# Allegro board 20231252_notecarrier-m2-r_v1.brd
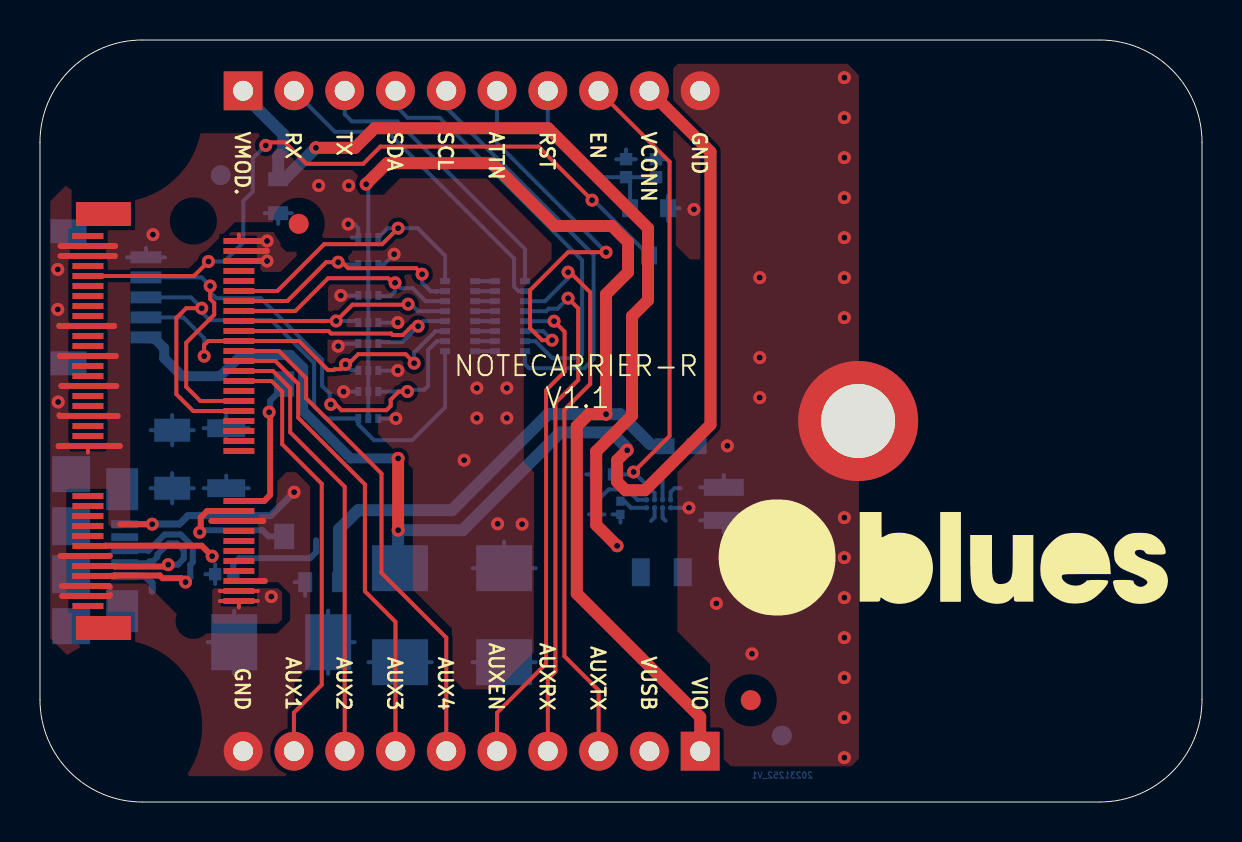
[diagram p0: board, top side]
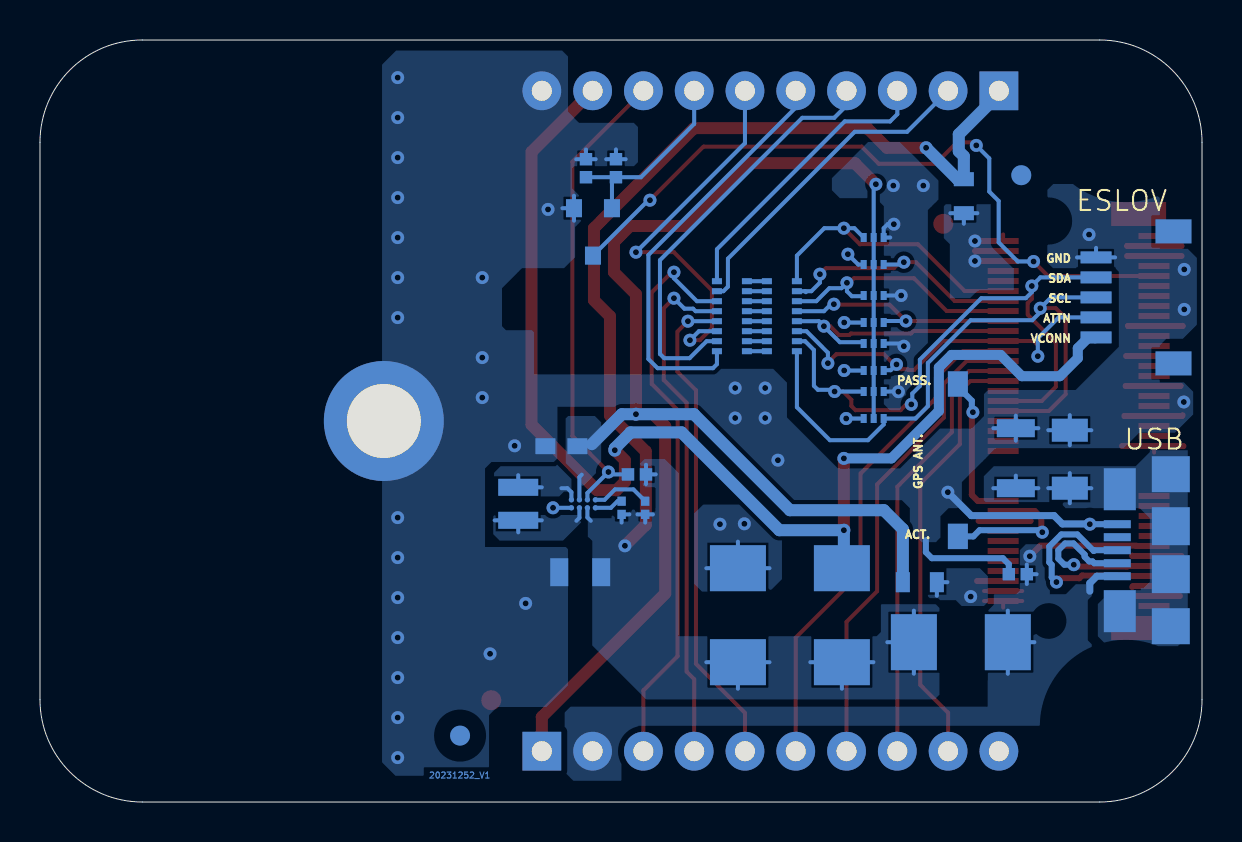
[diagram p1: board, bottom side, seen from below]

Outline 58.12 x 38.1 mm; copper layers: TOP, BOTTOM. Coordinates in mm from the lower left corner of the outline.
Outline path: 0,32.99 0,5.11 arc(1.5,1.5) 5.11,0 53.01,0 arc(56.62,1.5) 58.12,5.11 58.12,32.99 arc(56.62,36.6) 53.01,38.1 5.11,38.1 arc(1.5,36.6) 0,32.99

## Design rules (mm)
constraint set DEFAULT: pair gap 0.2
net group USB_CON_EXT_90: nets USB_DM USB_DP

## Placement (name value [footprint] x y rotation side)
C1  10u/16V-X5R  [CS-C-0805]  31.1 11.49 0 bottom
C2  22u/10V/X5R  [CS-C-0603]  32.04 17.79 0 bottom
C5  10n/1kV  [CS-C-1206]  6.61 17.19 90 bottom
C6  100n/16V  [CS-C-0402]  29.31 31.69 90 bottom
C111  100n/16V  [CS-C-0402]  9.21 11.39 0 bottom
DS1  STPS3H100U  [SMB]  14.41 7.99 180 bottom
DS2  STPS3H100U  [SMB]  18.01 6.99 90 bottom
DS3  NU  [SOT563]  16.42 19.85 0 bottom
DS4  NU  [SOT563]  16.42 24.65 0 bottom
DS5  NU  [SOT563]  16.42 22.25 0 bottom
DS6  NU  [SOT563]  16.42 27.55 0 bottom
DSW1  DIP-SW-CHS-01TB  [DSS-CHS-01TB]  12.21 17.09 180 bottom
F1  SF-0603F150-2  [FS-0603]  14.11 10.99 180 bottom
F2  3.5A/32V  [FS-0603]  11.91 30.29 270 bottom
FID1  TPS  [FIDUCIAL]  35.55 5.09 0 top
FID2  TPS  [FIDUCIAL]  12.94 28.91 0 top
FID3  TPS  [FIDUCIAL]  37.11 3.32 180 bottom
FID4  TPS  [FIDUCIAL]  9.04 31.34 180 bottom
J1  MDT420E01001  [J-75-0050-MOS-M2-E]  7.67 19.05 90 top
J2  MICROUSB-B  [J-5-0065-FOS-MICROUSB10118192]  4.11 12.59 90 bottom
J3  SM05B-SRSS-TB  [J-5-0100-MOS-SH]  2.85 25.23 90 bottom
J4  NU  [J-10-0254-MDT]  33.02 2.54 180 bottom
J5  NU  [J-10-0254-MDT]  10.16 35.56 0 bottom
L1  1u/3.1A  [LS-0907]  34.2 14.91 90 bottom
NOREF  -  []  7.67 29.05 0 top
NOREF#2  -  []  9.95 10.05 90 top
NOREF#3  -  []  30.34 14.71 90 top
NOREF#4  -  []  27.5 16.69 0 top
NOREF#5  -  []  9.8 11.28 0 top
NOREF#6  -  []  1.56 16.39 90 top
NOREF#7  -  []  7.67 29.05 0 top
NOREF#8  -  []  7.67 9.05 90 top
NOREF#9  -  []  22.61 25.79 90 top
NOREF#10  -  []  29.62 31.83 90 top
NOREF#11  -  []  7.67 9.05 90 top
NOREF#12  -  []  -54.93 30 0 top
NOREF#13  -  []  50.3 2.55 0 top
NOREF#14  -  []  6.04 14.79 0 top
NOREF#15  -  []  20.41 22.29 90 top
NOREF#16  -  []  32.6 10.79 90 top
NOREF#17  -  []  0 32.99 0 top
NOREF#18  -  []  22.91 22.29 90 top
NOREF#19  -  []  30.34 15.11 0 top
NOREF#20  -  []  39.07 19.05 0 top
NOREF#21  -  []  8.21 9.16 0 top
NOREF#22  -  []  7.67 29.05 0 top
NOREF#23  -  []  -54.93 8.1 0 top
NOREF#24  -  []  13.26 9.39 0 top
NOREF#25  -  []  29.51 29.69 0 top
NOREF#26  -  []  5.11 0 90 top
NOREF#27  -  []  29.31 31.24 90 top
NOREF#28  -  []  33.02 2.54 90 top
NOREF#29  -  []  17.67 18.25 90 top
NOREF#30  -  []  27.85 14.38 90 top
NOREF#31  -  []  15.92 28.23 0 top
NOREF#32  -  []  22.91 22.29 90 top
NOREF#33  -  []  30.48 2.54 0 top
NOREF#34  -  []  8.81 8.59 90 top
NOREF#35  -  []  18.01 6.99 90 top
NOREF#36  -  []  29.51 29.69 0 top
NOREF#37  -  []  15.77 23.75 90 top
NOREF#38  -  []  16.77 24.2 0 top
NOREF#39  -  []  29 32.45 0 top
NOREF#40  -  []  20.41 22.29 90 top
NOREF#41  -  []  9.95 10.05 90 top
NOREF#42  -  []  2.61 12.04 90 top
NOREF#43  -  []  16.77 21.8 0 top
NOREF#44  -  []  10.71 29.79 0 top
NOREF#45  -  []  -109.85 -129.62 0 top
NOREF#46  -  []  7.67 9.05 90 top
NOREF#47  -  []  2.4 24.3 90 top
NOREF#48  -  []  2.4 9.8 90 top
NOREF#49  -  []  53.01 0 90 top
NOREF#50  -  []  8.86 19.64 0 top
NOREF#51  -  []  9.8 9.28 90 top
NOREF#52  -  []  27.81 16.38 0 top
NOREF#53  -  []  5.11 0 90 top
NOREF#54  -  []  11.71 20.27 90 top
NOREF#55  -  []  2.14 34.29 0 top
NOREF#56  -  []  29.26 14.17 90 top
NOREF#57  -  []  7.19 17.69 90 top
NOREF#58  -  []  12.91 10.49 0 top
NOREF#59  -  []  9.71 7.99 0 top
NOREF#60  -  []  2.57 30.77 0 top
NOREF#61  -  []  22.76 26.04 0 top
NOREF#62  -  []  15.92 25.32 0 top
NOREF#63  -  []  2.25 27.57 0 top
NOREF#64  -  []  3.86 9.09 0 top
NOREF#65  -  []  8.76 11.39 0 top
NOREF#66  -  []  31.24 17.79 0 top
NOREF#67  -  []  3.81 34.29 90 top
NOREF#68  -  []  -0.59 9.09 90 top
NOREF#69  -  []  30.5 31.55 0 top
NOREF#70  -  []  8.45 29.22 0 top
NOREF#71  -  []  5.11 0 90 top
NOREF#72  -  []  -50.83 -3.81 0 top
NOREF#73  -  []  -2.33 18 90 top
NOREF#74  -  []  2.25 9.03 90 top
NOREF#75  -  []  54.31 34.29 0 top
NOREF#76  -  []  -0.59 9.09 0 top
NOREF#77  -  []  16.77 19.4 0 top
NOREF#78  -  []  54.31 34.29 90 top
NOREF#79  -  []  40.92 19.05 90 top
NOREF#80  -  []  15.92 22.93 0 top
NOREF#81  -  []  -2.33 18.5 90 top
NOREF#82  -  []  28.12 16.07 90 top
NOREF#83  -  []  11.71 13.91 0 top
NOREF#84  -  []  8.86 14.74 90 top
NOREF#85  -  []  16.86 8.39 0 top
NOREF#86  -  []  10.16 35.56 0 top
NOREF#87  -  []  21.76 25.54 90 top
NOREF#88  -  []  21.61 22.29 0 top
NOREF#89  -  []  6.61 15.69 90 top
NOREF#90  -  []  18.17 -6.83 0 top
NOREF#91  -  []  30.81 31.24 90 top
NOREF#92  -  []  16.92 19.18 90 top
NOREF#93  -  []  30.96 30.09 0 top
NOREF#94  -  []  3.77 28.02 90 top
NOREF#95  -  []  4.24 11.29 90 top
NOREF#96  -  []  1.96 9.09 0 top
NOREF#97  -  []  22.06 5.59 90 top
NOREF#98  -  []  23.21 6.99 90 top
NOREF#99  -  []  17.67 17.75 90 top
NOREF#100  -  []  13.61 11.49 0 top
NOREF#101  -  []  7.67 9.05 90 top
NOREF#102  -  []  2.4 9.8 0 top
NOREF#103  -  []  28.08 14.17 90 top
NOREF#104  -  []  15.31 10.49 90 top
NOREF#105  -  []  30.05 11.49 0 top
NOREF#106  -  []  32.34 18.19 0 top
NOREF#107  -  []  15.77 21.35 90 top
NOREF#108  -  []  30.01 26.92 90 top
NOREF#109  -  []  30.74 17.39 90 top
NOREF#110  -  []  16.86 5.59 90 top
NOREF#111  -  []  21.76 25.54 90 top
NOREF#112  -  []  29.03 14.38 90 top
NOREF#113  -  []  13.11 29.79 90 top
NOREF#114  -  []  15.92 20.52 0 top
NOREF#115  -  []  28.8 14.59 0 top
NOREF#116  -  []  54.31 3.81 0 top
NOREF#117  -  []  6.11 13.39 0 top
NOREF#118  -  []  9.97 11.08 90 top
NOREF#119  -  []  0 5.11 0 top
NOREF#120  -  []  9.95 14.55 90 top
NOREF#121  -  []  24.11 22.29 0 top
NOREF#122  -  []  11.41 30.79 0 top
NOREF#123  -  []  24.26 25.54 90 top
NOREF#124  -  []  31.7 12.19 0 top
NOREF#125  -  []  16.92 26.88 90 top
NOREF#126  -  []  5.21 13.39 0 top
NOREF#127  -  []  0 32.99 0 top
NOREF#128  -  []  24.26 25.54 90 top
NOREF#129  -  []  27.44 35.57 0 top
NOREF#130  -  []  9.35 11.7 0 top
NOREF#131  -  []  -3.28 24.93 0 top
NOREF#132  -  []  0.01 11.79 90 top
NOREF#133  -  []  9.31 15.69 90 top
NOREF#134  -  []  31.12 30.93 90 top
NOREF#135  -  []  2.22 4.24 0 top
NOREF#136  -  []  27.62 14.59 0 top
NOREF#137  -  []  15.77 26.65 90 top
NOREF#138  -  []  13.26 6.59 90 top
NOREF#139  -  []  3.17 8.7 90 top
NOREF#140  -  []  12.21 13.28 90 top
NOREF#141  -  []  -0.59 9.09 0 top
NOREF#142  -  []  20.11 25.79 90 top
NOREF#143  -  []  -49.28 41.81 0 top
NOREF#144  -  []  16.77 27.1 0 top
NOREF#145  -  []  15.77 18.95 90 top
NOREF#146  -  []  30.34 14.71 0 top
NOREF#147  -  []  16.92 23.98 90 top
NOREF#148  -  []  16.92 21.57 90 top
NOREF#149  -  []  2.25 9.03 90 top
NOREF#150  -  []  3.81 34.29 0 top
NOREF#151  -  []  0 5.11 0 top
NOREF#152  -  []  3.81 3.81 90 top
NOREF#153  -  []  20.26 26.04 0 top
NOREF#154  -  []  22.06 8.39 0 top
NOREF#155  -  []  37.92 19.05 0 top
NOREF#156  -  [unnamed#2]  54.31 34.29 180 bottom
NOREF#157  -  [unnamed#2]  3.81 34.29 180 bottom
NOREF#158  -  [unnamed#2]  54.31 3.81 180 bottom
NOREF#159  -  [unnamed#2]  3.81 3.81 180 bottom
OBJ1  9774025151R  [DIST-WASMSIM0250]  40.92 19.05 0 top
Q1  AO3420  [SOT23]  29.51 29.69 90 bottom
R2  10M  [RS-0402]  28.26 16.38 180 bottom
R3  10k  [RS-0201]  27.85 14.71 270 bottom
R4  10k  [RS-0201]  29.03 14.71 270 bottom
R7  1k  [RS-0402]  30.81 31.69 270 bottom
R8  1M  [RS-1206]  9.31 17.19 90 bottom
RR1  100R/5%  [RR-8X-1506]  23.51 24.29 270 bottom
RR2  100R/5%  [RR-8X-1506]  21.01 24.29 270 bottom
TVS1  SM6T6V8A  [SMB]  23.21 6.99 90 bottom
U1  ISL9122AIINZ-T  [WLCSP8]  30.94 14.91 90 bottom

## Library data of the parts
C1 = CS-C-0805-10u/16V-X5R
C2 = CS-C-0603-22u/10V/X5R
C5 = CS-C-1206-10n/1kV: room: USB BOOT
C6 = CS-C-0402-100n/16V
C111 = CS-C-0402-100n/16V: room: USB BOOT
DS1 DS2 = SCHOTTKY-STPS3H100U - 3A/100V
DS3-DS6 = DIODO4x - BAV99BRVA-7 -0.2A/75V: room: CONNETTORE HAT
DSW1 = DIP-SW-1x-CHS-01TB-SMD
F1 = RAPIDO - SF-0603F150-2-1.5A/32V
F2 = RAPIDO - 0603SFV350F- 3.5A/32V
FID1-FID4 = FIDUCIAL
J1 = AMPHENOL-75 - M-2 KEY E_12
J2 = USB - MICROUSB-B-FCI10118192
J3 = SH - J-5-0100-MDS-SM05B-SRSS-TB
J4 J5 = STRIP-J-10-0254-MDT
L1 = PW - TYA2520101R0M-10 - 1u/3.1A
OBJ1 = DISTANZIALE - M2.5x0250
Q1 = NMOS - AO3420 - 6A/20V
R2 = RS-0402-10M
R3 R4 = RS-0201-10k
R7 = RS-0402-1k
R8 = RS-1206-1M: room: USB BOOT
RR1 RR2 = RR-8X-1506-100r/5%
TVS1 = TVS-UNI - SM6T6V8A - 6.8V/600W
U1 = BUCK-BOOST-ISL9122AIIN-ALT

## Footprints (pads in the part's own frame, mm; a bottom-side part is the same pattern mirrored in y, then rotated)
CS-C-0402
  rect 0.62x0.62 smd: 1(-0.45,0) 2(0.45,0)
CS-C-0603
  rect 1x0.8 smd: 1(-0.8,0) 2(0.8,0)
CS-C-0805
  rect 0.9x1.4 smd: 1(-1.05,0) 2(1.05,0)
CS-C-1206
  rect 1.15x1.8 smd: 1(-1.5,0) 2(1.4,0)
DIST-WASMSIM0250
  round 6 hole 3.7: 1(0,0)
DSS-CHS-01TB
  rect 1x1.27 smd: 1(0,3.81) 2(0,-3.81)
FIDUCIAL
  round 1 smd: 1(0,0)
FS-0603
  rect 0.7x1 smd: 1(-0.85,0) 2(0.85,0)
J-5-0065-FOS-MICROUSB10118192
  rect 0.4x1.35 smd: 1(-1.3,0.125) 2(-0.65,0.125) 3(0,0.125) 4(0.65,0.125) 5(1.3,0.125)
  rect 2.1x1.6 smd: 6(-3.05,0) 7(3.05,0)
  rect 1.9x1.9 smd: 8(-1.2,-2.55) 9(1.2,-2.55)
  rect 1.8x1.9 smd: 10(-3.8,-2.55) 11(3.8,-2.55)
J-5-0100-MOS-SH
  rect 1.2x1.8 smd: (-3.3,-1.425) (3.3,-1.425)
  rect 0.6x1.55 smd: 1(-2,2.45) 2(-1,2.45) 3(0,2.45) 4(1,2.45) 5(2,2.45)
J-10-0254-MDT
  rect 1.94x1.94 hole 1: 1(0,0)
  round 1.94 hole 1: 2(2.54,0) 3(5.08,0) 4(7.62,0) 5(10.16,0) 6(12.7,0) 7(15.24,0) 8(17.78,0) 9(20.32,0) 10(22.86,0)
J-75-0050-MOS-M2-E
  rect 1.2x2.75 smd: (-10.35,4.5) (10.35,4.5)
  round 0 hole 1.1 unplated: (-10,0)
  round 0 hole 1.6 unplated: (10,0)
  rect 0.3x1.55 smd: 1(-9.25,5.275) 2(-9,-2.275) 3(-8.75,5.275) 4(-8.5,-2.275) 5(-8.25,5.275) 6(-8,-2.275) 7(-7.75,5.275) 8(-7.5,-2.275) 9(-7.25,5.275) 10(-7,-2.275) 11(-6.75,5.275) 12(-6.5,-2.275) 13(-6.25,5.275) 14(-6,-2.275) 15(-5.75,5.275) 16(-5.5,-2.275) 17(-5.25,5.275) 18(-5,-2.275) 19(-4.75,5.275) 20(-4.5,-2.275) 21(-4.25,5.275) 22(-4,-2.275) 23(-3.75,5.275) 32(-1.5,-2.275) 33(-1.25,5.275) 34(-1,-2.275) 35(-0.75,5.275) 36(-0.5,-2.275) 37(-0.25,5.275) 38(0,-2.275) 39(0.25,5.275) 40(0.5,-2.275) 41(0.75,5.275) 42(1,-2.275) 43(1.25,5.275) 44(1.5,-2.275) 45(1.75,5.275) 46(2,-2.275) 47(2.25,5.275) 48(2.5,-2.275) 49(2.75,5.275) 50(3,-2.275) 51(3.25,5.275) 52(3.5,-2.275) 53(3.75,5.275) 54(4,-2.275) 55(4.25,5.275) 56(4.5,-2.275) 57(4.75,5.275) 58(5,-2.275) 59(5.25,5.275) 60(5.5,-2.275) 61(5.75,5.275) 62(6,-2.275) 63(6.25,5.275) 64(6.5,-2.275) 65(6.75,5.275) 66(7,-2.275) 67(7.25,5.275) 68(7.5,-2.275) 69(7.75,5.275) 70(8,-2.275) 71(8.25,5.275) 72(8.5,-2.275) 73(8.75,5.275) 74(9,-2.275) 75(9.25,5.275)
LS-0907
  rect 0.85x2 smd: 1(-0.825,0) 2(0.825,0)
RR-8X-1506
  rect 0.3x0.5 smd: 1(-1.75,-0.75) 2(-1.25,-0.75) 3(-0.75,-0.75) 4(-0.25,-0.75) 5(0.25,-0.75) 6(0.75,-0.75) 7(1.25,-0.75) 8(1.75,-0.75) 9(1.75,0.75) 10(1.25,0.75) 11(0.75,0.75) 12(0.25,0.75) 13(-0.25,0.75) 14(-0.75,0.75) 15(-1.25,0.75) 16(-1.75,0.75)
RS-0201
  rect 0.46x0.42 smd: 1(-0.33,0) 2(0.33,0)
RS-0402
  rect 0.62x0.62 smd: 1(-0.45,0) 2(0.45,0)
RS-1206
  rect 0.9x1.9 smd: 1(-1.5,0) 2(1.5,0)
SMB
  rect 2.3x2.8 smd: 1(0,0) 2(4.7,0)
SOT23
  rect 0.9x0.8 smd: 1(0,0) 2(0,1.9) 3(-2.37,0.95)
SOT563
  rect 0.3x0.45 smd: 1(-0.5,-0.675) 2(0,-0.675) 3(0.5,-0.675) 4(0.5,0.675) 5(0,0.675) 6(-0.5,0.675)
unnamed#2
  round 0 hole 3.3 unplated: (0,0)
WLCSP8
  round 0.27 smd: A1(-0.2,0.6) A2(0.2,0.6) B1(-0.2,0.2) B2(0.2,0.2) C1(-0.2,-0.2) C2(0.2,-0.2) D1(-0.2,-0.6) D2(0.2,-0.6)

## Nets
GND: C1.2 C2.2 C5.2 C6.2 C111.2 DS3.1 DS3.4 DS4.1 DS4.4 DS5.1 DS5.4 DS6.1 DS6.4 J1.3 J1.5 J1.6 J1.11 J1.18 J1.33 J1.39 J1.45 J1.51 J1.57 J1.71 J1.73 J2.5 J3.5 J4.10 J5.10 OBJ1.1 Q1.2(S) R7.1 R8.2 TVS1.2 U1.A1
ATTN: J5.6 RR1.6
ATTN_P: DS5.6 J1.54 J3.2 RR2.11
AUX1: J1.46 J4.9
AUX2: J1.48 J4.8
AUX3: J1.50 J4.7
AUX4: J1.52 J4.6
AUX_EN: J4.5 RR1.5
AUX_EN_P: DS5.3 J1.56 RR2.12
AUX_RX: J4.4 RR1.4
AUX_RX_P: DS4.6 J1.58 RR2.13
AUX_TX: J4.3 RR1.3
AUX_TX_P: DS4.3 J1.60 RR2.14
EN: J5.8 R2.1 U1.C2
NRST: J1.67 Q1.3
RST: C6.1 J5.7 Q1.1 R7.2
RX: J5.2 RR1.2
RX_P: DS6.6 J1.62 RR2.15
SCL: J5.5 RR1.8
SCL_P: DS3.6 J1.40 J3.3 RR2.9
SDA: J5.4 RR1.7
SDA_P: DS3.3 J1.42 J3.4 RR2.10
TX: J5.3 RR1.1
TX_P: DS6.3 J1.64 RR2.16
USB_DM: J1.9 J2.2
USB_DP: J1.7 J2.3
USB_SHIELD: C5.1 J2.6 J2.7 J2.8 J2.9 J2.10 J2.11 R8.1
VACT_GPS_OUT: DSW1.2 J1.20
VCONN: DS2.2 J3.1 J5.9
VIO: C2.1 DS3.2 DS3.5(C2) DS4.2 DS4.5(C2) DS5.2 DS5.5(C2) DS6.2 DS6.5(C2) F1.1 J4.1 U1.B2(VOUT)
VIO_P: F1.2 J1.2 J1.4
VMODEM: C1.1 DS1.1(C) DS2.1(C) F2.1 J5.1 R2.2 R3.2 R4.2 TVS1.1(C) U1.C1
VMODEM_P: F2.2 J1.70 J1.72 J1.74
VUSB: C111.1 DS1.2 J1.13(VUSB) J2.1(VCC) J4.2
N16931653: RR1.16 RR2.1
N16931655: RR1.15 RR2.2
N16931657: RR1.14 RR2.3
N16931659: RR1.13 RR2.4
N16931661: RR1.12 RR2.5
N16931663: RR1.11 RR2.6
N16931665: RR1.10 RR2.7
N16931667: RR1.9 RR2.8
N16944507: DSW1.1 J1.22
N17123133: L1.1 U1.B1
N17123145: L1.2 U1.A2
N17123715: R4.1 U1.D1
N17123720: R3.1 U1.D2

Pads without a net: FID1 1; FID2 1; FID3 1; FID4 1; J1 1 8 10 12 14 15 16 17 19 21 23 32 34 35 36 37 38 41 43 44 47 49 53 55 59 61 63 65 66 68 69 75; J2 4

## Via types
v1: diameter 0.65, hole 0.3, TOP to BOTTOM, 83 vias

## Routing (per net, layer and track width the routed paths; a pad name or vN(x,y) marks a point on that pad's centre or on a via; arc(x,y) is an arc through that point)
GND: length 75.2
  TOP w0.2: 2.4,17.47 J1.33
  TOP w0.3: 1.02,12.3 J1.11 3.48,12.3 3.49,12.31 ; 3.81,20.8 3.81,20.8 J1.45 1.08,20.8 1.07,20.81 ; 3.49,10.75 3.45,10.8 J1.5 1.1,10.8 ; 1.1,10.3 J1.3 3.46,10.3 3.51,10.34 ; 8.57,14.05 J1.18 11.17,14.05 ; 0.93,17.79 0.94,17.8 J1.33 3.99,17.8 3.99,17.8 ; J1.6 11.25,11.05 ; 3.74,27.8 3.74,27.8 J1.73 1.02,27.8 ; 3.79,22.3 3.79,22.3 J1.51 1,22.3 0.99,22.3 ; 3.74,27.3 J1.71 1.02,27.3 ; 3.88,19.3 3.88,19.3 J1.39 1.01,19.3 0.97,19.34 ; 3.7,23.81 3.69,23.8 J1.57 0.98,23.8 0.97,23.81 ; v1(5.61,13.89) 4.01,13.89
  BOTTOM w0.2: 10.21,2.49 10.16,2.54 J4.10 ; C5.2 7.69,18.59 ; C5.2 6.61,19.34 ; C5.2 6.61,17.84 ; C5.2 5.53,18.59 ; 28.82,32.14 C6.2 ; C6.2 29.8,32.14 ; C6.2 29.31,32.63 ; v1(14.91,22.79) 15.05,22.93 DS5.1 ; v1(15.41,28.89) 15.72,28.89 15.92,28.69 DS6.1 15.59,28.23 ; J3.5 5.3,27.71 ; J3.5 4.35,27.23 ; J3.5 6.25,27.23 ; U1.A1 v1(32.46,14.71) ; 8.18,18.69 R8.2 ; R8.2 9.31,19.32 ; R8.2 10.44,18.69 ; R8.2 9.31,18.06 ; v1(15.19,20.52) 15.19,20.52 15.92,20.52 ; DS5.4 v1(17.9,21.57) ; R7.1 30.81,32.63 ; R7.1 31.3,32.14 ; R7.1 30.32,32.14 ; v1(17.71,27.39) 17.2,26.88 DS6.4 ; Q1.2 31.41,30.32 ; Q1.2 31.99,29.69 ; Q1.2 31.41,29.06 ; 16.92,23.98 v1(17.9,23.98) ; DS4.1 v1(15.05,25.32) ; DS3.4 v1(17.8,19.18) ; TVS1.2 23.21,13.02 ; TVS1.2 21.63,11.69 ; TVS1.2 24.79,11.69
  BOTTOM w0.3: 13.81,13.09 13.81,12.49 13.51,12.19 9.96,12.19 9.66,11.89 C111.2 ; J2.5 v1(5.61,13.89)
  BOTTOM w0.35: v1(12.71,15.49) 11.54,14.32 7.4,14.32 6.98,13.9 5.62,13.9 v1(5.61,13.89)
  vias: v1(0.89,26.63) v1(0.89,24.63) v1(0.91,20) v1(5.65,28.37) v1(13.94,30.82) v1(15.44,30.82) v1(21.21,17.09) v1(21.85,20.7) v1(21.85,19.2) v1(22.89,13.91) v1(23.35,20.7) v1(23.35,19.2) v1(24.11,13.89) v1(32.71,29.63) v1(33.83,9.93) v1(34.38,17.81) v1(35.61,7.41) v1(36,26.22) v1(36,22.22) v1(36,20.22) v1(40.23,36.22) v1(40.23,34.22) v1(40.23,32.22) v1(40.23,30.22) v1(40.23,28.22) v1(40.23,26.22) v1(40.23,24.22) v1(40.23,14.22) v1(40.23,12.22) v1(40.23,10.22) v1(40.23,8.22) v1(40.23,6.22) v1(40.23,4.22) v1(40.23,2.22)
ATTN: length 19.7
  TOP w0.2: v1(25.61,23.09) 25.11,23.09 24.51,23.69 24.51,25.59 26.41,27.49 v1(28.31,27.49)
  BOTTOM w0.2: J5.6 22.86,32.94 v1(28.31,27.49) ; v1(25.61,23.09) 25.16,23.54 RR1.6
ATTN_P: length 19.8
  TOP w0.2: v1(18.71,21.94) 18.71,21.97 18.29,22.39 15.91,22.39 15.4,21.88 v1(15.28,21.88) 15.04,21.64 14.73,21.64 14.69,21.6 14.4,21.6 12.95,23.05 J1.54 8.41,23.05 8.21,22.85 v1(8.21,22.29)
  BOTTOM w0.2: v1(15.28,21.88) 15.57,21.59 15.91,21.59 DS5.6 ; J3.2 7.17,24.23 8.21,23.19 v1(8.21,22.29) ; RR2.11 19.79,23.54 18.71,22.47 v1(18.71,21.94)
AUX1: length 21.8
  TOP w0.2: J4.9 12.7,4.46 14.09,5.86 14.09,15.91 12.11,17.89 12.11,20.52 11.59,21.05 J1.46
AUX2: length 22.2
  TOP w0.2: J1.48 11.65,21.55 12.51,20.69 12.51,18.49 15.24,15.76 J4.8
AUX3: length 23.8
  TOP w0.2: J1.50 11.77,22.05 12.91,20.91 12.91,19.22 16.25,15.88 16.25,10.54 17.78,9.01 J4.7
AUX4: length 25.5
  TOP w0.2: J4.6 20.32,8.22 17.08,11.46 17.08,16.42 13.31,20.19 13.31,21.19 11.95,22.55 J1.52
AUX_EN: length 24.6
  TOP w0.2: J4.5 22.86,4.46 25.31,6.91 25.31,20.59 26.24,21.52 26.24,23.52 v1(25.71,24.04)
  BOTTOM w0.2: RR1.5 v1(25.71,24.04)
AUX_EN_P: length 13
  TOP w0.2: v1(18.91,23.79) 18.6,23.79 18.16,23.35 17.64,23.35 17.56,23.43 14.55,23.43 14.43,23.55 J1.56
  BOTTOM w0.2: RR2.12 19.16,24.04 v1(18.91,23.79) 18.11,22.99 16.99,22.99 DS5.3
AUX_RX: length 25.9
  TOP w0.2: v1(26.41,25.19) 26.92,24.68 26.92,21.1 25.78,19.96 25.78,6.52 25.4,6.14 J4.4
  BOTTOM w0.2: v1(26.41,25.19) 25.89,24.66 25.45,24.66 25.33,24.54 RR1.4
AUX_RX_P: length 11.9
  TOP w0.2: J1.58 v1(14.81,24.05) 15.63,24.87 18.39,24.87 v1(18.41,24.89)
  BOTTOM w0.2: v1(14.81,24.05) 15.85,24.05 15.92,23.98 ; v1(18.41,24.89) 18.56,24.89 18.91,24.54 RR2.13
AUX_TX: length 28.6
  TOP w0.2: J4.3 27.94,5.58 26.23,7.29 26.23,19.61 27.52,20.9 27.52,25.48 26.51,26.49 v1(26.41,26.49)
  BOTTOM w0.2: RR1.3 25.26,25.04 26.41,26.19 v1(26.41,26.49)
AUX_TX_P: length 12.8
  TOP w0.2: J1.60 12.77,24.55 14.41,26.19 17.41,26.19 17.64,25.96 v1(17.76,25.96)
  BOTTOM w0.2: RR2.14 19.29,25.04 18.64,25.69 18.03,25.69 v1(17.76,25.96) 17.76,25.54 17.51,25.29 16.96,25.29 DS4.3
EN: length 24.1
  TOP w0.2: J5.8 31.49,32.01 31.49,18.3 v1(29.69,16.5)
  BOTTOM w0.2: R2.1 29.57,16.38 v1(29.69,16.5) 30.74,15.45 U1.C2
NRST: length 36.1
  TOP w0.2: v1(11.29,32.83) 11.44,32.98 12.26,32.98 13.33,31.91 16.17,31.91 17.03,32.77 24.93,32.77 v1(27.61,30.09) ; J1.67 7.7,26.3 v1(8.42,27.03)
  BOTTOM w0.2: v1(27.61,30.09) 27.69,30.09 Q1.3 ; v1(8.42,27.03) 9.22,27.03 10.17,27.98 10.17,30.05 10.64,30.52 10.64,32.18 v1(11.29,32.83)
RST: length 9.8
  BOTTOM w0.2: R7.2 C6.1 ; C6.1 28.06,31.24 25.4,33.9 J5.7 ; C6.1 29.51,31.04 Q1.1
RX: length 16.5
  BOTTOM w0.2: RR1.2 23.94,25.54 23.71,25.77 23.71,27.17 17.37,33.51 14.75,33.51 J5.2
RX_P: length 13.2
  TOP w0.2: v1(19.11,26.39) 18.81,26.69 15.41,26.69 15.11,26.99 v1(14.91,26.99) 14.31,26.99 12.37,25.05 J1.62 9.9,25.05 9.9,25.06
  BOTTOM w0.2: v1(14.91,26.99) 15.03,26.88 DS6.6 ; v1(19.11,26.39) 19.11,25.97 19.54,25.54 19.86,25.54 ; 19.86,25.54 RR2.15 ; 19.86,25.54 19.81,25.49
SCL: length 20.8
  BOTTOM w0.2: J5.5 20.32,34.72 27.69,27.35 27.69,22.15 27.23,21.69 24.46,21.69 24.26,21.89 RR1.8
SCL_P: length 31.7
  TOP w0.2: v1(8.09,24.69) 7.31,24.69 6.82,24.2 6.82,20.39 7.66,19.55 J1.40 9.97,19.55 9.98,19.55
  BOTTOM w0.2: J3.3 7.55,25.23 v1(8.09,24.69) 8.09,24.49 8.49,24.09 11.57,24.09 13.71,21.95 13.71,19.79 14.33,19.18 DS3.6 15.92,18.88 16.71,18.09 18.61,18.09 20.26,19.74 RR2.9
SDA: length 21.3
  BOTTOM w0.2: J5.4 17.78,34.82 18.39,34.21 19.99,34.21 27.11,27.09 27.11,22.4 26.9,22.19 25.63,22.19 24.78,23.04 RR1.7
SDA_P: length 31.7
  TOP w0.2: v1(18.38,20.52) 17.95,20.52 17.54,20.12 17.54,19.8 17.33,19.59 15.08,19.59 14.79,19.88 v1(14.54,19.88) ; J1.42 8.02,20.05 7.31,20.76 7.31,22.96 8.51,24.16 8.52,24.16 8.71,24.36 8.71,24.95 8.51,25.15 v1(8.51,25.8)
  BOTTOM w0.2: v1(14.54,19.88) 14.49,19.93 14.49,20.42 14.11,20.8 14.11,22.11 11.04,25.19 8.81,25.19 8.51,25.49 v1(8.51,25.8) 8.08,26.23 J3.4 ; RR2.10 19.85,23.04 19.41,22.6 19.41,20.81 19.21,20.61 18.46,20.61 v1(18.38,20.52) 16.92,20.52
TX: length 14.6
  BOTTOM w0.2: RR1.1 24.26,27.64 17.87,34.03 15.6,34.03 15.24,34.39 J5.3
TX_P: length 14.7
  TOP w0.2: 9.92,25.55 J1.64 11.87,25.55 14.21,27.89 17.11,27.89 v1(17.91,28.69)
  BOTTOM w0.2: DS6.3 17.39,28.69 v1(17.91,28.69) 18.89,28.69 20.26,27.32 RR2.16
USB_DM: length 9
  TOP w0.3: v1(6.41,11.87) 6.32,11.78 3.75,11.78 3.72,11.8 J1.9
  BOTTOM w0.3: v1(6.41,11.87) 6.89,11.87 7.19,12.17 7.19,12.59 6.85,12.93 6.43,12.93 5.87,12.37 5.87,12.26 5.64,12.03 5.48,12.03 5.39,11.94 J2.2
USB_DP: length 11
  TOP w0.3: v1(7.28,11) 7.27,11 7.07,11.19 6.13,11.19 6,11.32 3.75,11.32 3.72,11.3 J1.7
  BOTTOM w0.3: J2.3 5.39,12.59 5.42,12.56 5.42,12.56 6.24,13.38 7.04,13.38 7.64,12.78 7.64,11.98 7.52,11.86 7.52,11.23 v1(7.28,11)
USB_SHIELD: length 6.5
  BOTTOM w0.2: C5.1 7.69,15.69 ; C5.1 6.61,14.94 ; C5.1 6.61,16.44 ; C5.1 5.53,15.69 ; 8.18,15.69 R8.1 ; R8.1 10.44,15.69 ; R8.1 9.31,16.32
VACT_GPS_OUT: length 7.2
  TOP w0.3: v1(7.99,13.49) 8.04,13.54 8.04,14.22 8.37,14.55 J1.20
  BOTTOM w0.3: DSW1.2 11.44,13.28 11.13,13.59 8.09,13.59 v1(7.99,13.49)
VCONN: length 63
  TOP w0.6: v1(29.37,17.59) 28.86,17.09 28.86,16.02 29.29,15.59 30.26,15.59 33.53,18.86 33.53,32.51 J5.9 ; v1(17.91,17.18) v1(17.91,13.59)
  BOTTOM w0.5: v1(17.91,17.18) 15.53,17.18 13.16,19.55 13.16,21.72 12.53,22.35 10.08,22.35 9.01,21.29 7.11,21.29 6.21,22.19 6.21,22.69 5.71,23.19 5.34,23.19 J3.1
  BOTTOM w0.6: DS2.2 17.91,11.79 v1(17.91,13.59) 21.14,13.59 26.03,18.48 28.58,18.48 29.37,17.69 v1(29.37,17.59)
VIO: length 79
  TOP w0.6: J4.1 33.02,4.25 26.85,10.42 26.85,18.79 27.45,19.39 v1(28.31,19.39) 28.31,25.39 29.41,26.49 29.41,27.99 28.6,28.8 25.76,28.8 22.62,31.94 17.36,31.94 v1(16.31,30.89)
  BOTTOM w0.2: U1.B2 31.14,16.25 31.02,16.37 ; DS3.5 DS5.5 DS5.2 DS4.2 DS6.5 DS6.2 16.42,30.78 v1(16.31,30.89)
  BOTTOM w0.6: F1.1 14.96,13.64 15.91,14.59 20.61,14.59 25.41,19.39 v1(28.31,19.39) 29.02,19.39 30.52,17.89
VIO_P: length 5.3
  TOP w0.2: 8.99,10.05 J1.2 ; J1.2 10.9,10.05 ; J1.2 9.95,9.72 ; 10.9,10.55 J1.4 8.99,10.55
  BOTTOM w0.2: 12.73,10.99 F1.2 13.26,10.31
  vias: v1(11.57,10.27)
VMODEM: length 62
  TOP w0.6: v1(13.8,32.71) 15.76,32.71 16.74,33.69 25.41,33.69 30.41,28.69 30.41,25.09 29.61,24.29 29.61,19.32 27.82,17.53 27.82,13.86 v1(28.86,12.81)
  BOTTOM w0.2: 14.41,6.41 DS1.1 ; DS1.1 14.41,9.57 ; DS1.1 15.74,7.99 ; 27.46,14.38 R3.2 ; R3.2 28.24,14.38 ; R3.2 27.85,13.97 ; TVS1.1 24.79,6.99 ; TVS1.1 21.63,6.99 ; TVS1.1 23.21,5.66 ; 27.32,16.38 R2.2 ; R2.2 27.81,16.87 ; R2.2 27.81,15.89 ; 29.03,13.97 R4.2 28.64,14.38 ; 18.01,5.66 DS2.1 ; DS2.1 16.43,6.99 ; DS2.1 19.59,6.99 ; U1.C1 30.74,14.23 30.57,14.06
  BOTTOM w0.6: v1(13.8,32.71) 12.23,31.14 F2.1 11.91,32.29 12.16,32.54 12.16,33.39 10.16,35.39 J5.1
VMODEM_P: length 6.4
  TOP w0.2: J1.74 9.95,28.38
  TOP w0.3: J1.72 11.35,27.55 ; J1.74 v1(11.36,28.05) ; 11.36,27.05 v1(11.36,27.05) J1.70
  BOTTOM w0.2: 11.91,28.91 F2.2 ; F2.2 11.23,29.44 ; F2.2 12.59,29.44
VUSB: length 14.3
  TOP w0.3: J1.13 3.27,12.8 3.28,12.81 8.09,12.81 v1(8.61,12.29)
  BOTTOM w0.2: DS1.2 9.71,9.57 ; DS1.2 8.38,7.99 ; DS1.2 9.71,6.41 ; 8.76,10.9 C111.1 ; C111.1 8.27,11.39 ; C111.1 8.76,11.88
  BOTTOM w0.35: 5.61,10.54 5.61,10.94 5.26,11.29 J2.1
N16931653: length 1
  BOTTOM w0.2: RR1.16 RR2.1
N16931655: length 1
  BOTTOM w0.2: RR2.2 RR1.15
N16931657: length 1
  BOTTOM w0.2: RR2.3 RR1.14
N16931659: length 1
  BOTTOM w0.2: RR2.4 RR1.13
N16931661: length 1
  BOTTOM w0.2: RR2.5 RR1.12
N16931663: length 1
  BOTTOM w0.2: RR2.6 RR1.11
N16931665: length 1
  BOTTOM w0.2: RR2.7 RR1.10
N16931667: length 1
  BOTTOM w0.2: RR2.8 RR1.9
N16944507: length 7.6
  TOP w0.3: J1.22 11.21,15.05 11.51,15.35 11.51,19.44 v1(11.46,19.49)
  BOTTOM w0.3: DSW1.1 12.21,20.77 11.51,20.07 11.51,19.54 v1(11.46,19.49)
N17123133: length 3.7
  BOTTOM w0.2: U1.B1 31.14,14.21 31.29,14.06 ; 34.2,13.48 L1.1 ; L1.1 33.02,14.09 ; L1.1 35.38,14.09
N17123145: length 2.7
  BOTTOM w0.2: U1.A2 31.54,15.49 31.74,15.69 32.04,15.69 ; 33.02,15.73 L1.2 34.2,16.34
N17123715: length 1.4
  BOTTOM w0.2: U1.D1 29.56,14.71 29.23,15.04 R4.1
N17123720: length 2.9
  BOTTOM w0.2: R3.1 28.44,15.63 29.36,15.63 29.88,15.11 U1.D2

## Copper pours and planes (outline as drawn; the poured copper is in the pictures)
GND on TOP: 3.91,33.44 11.74,33.44 13.56,31.62 15.61,31.62 15.9,31.33 15.9,30.51 16.04,30.37 17.19,30.37 18.01,31.19 20.01,31.19 20.03,31.18 22.34,31.18 25.59,27.93 25.59,27.12 24.2,25.73 24.2,17 24.71,16.49 24.71,13.09 24.7,13.07 24.7,7.48 22.85,5.63 21.19,5.63 20.6,6.22 20.6,8.67 18.65,10.62 18.65,16.65 16.91,18.39 16.91,19.61 15.1,19.61 14.38,20.33 14.38,23.09 14.4,23.11 14.4,26.27 15.61,27.48 15.61,28.09 14.18,28.09 13.82,27.73 12.4,27.73 12.24,27.89 12.24,28.39 11.64,28.99 9.75,28.99 7.45,26.69 6.52,26.69 6.51,26.69 4.51,26.69 4.51,14.09 4.11,13.69 3.61,13.69 3.41,13.89 3.41,15.5 3.27,15.64 1.31,15.64 1.31,10.38 1.86,10.93 5.31,10.93 7.92,8.31 8.04,8.43 11.85,8.43 12.51,9.09 12.51,10.39 11.91,10.99 11.01,10.99 10.91,11.09 10.91,14.29 11.01,14.39 11.51,14.39 11.81,14.69 11.81,15.99 12.31,16.49 12.81,16.49 13.51,15.79 13.51,6.79 12.73,6 12.73,1.75 12.26,1.29 7.32,1.29 6.89,1.72 6.89,6.45 2.25,6.45 0.51,8.19 0.51,30.04
GND on TOP: 31.67,36.68 31.67,27.96 32.51,27.12 33.36,27.12 33.96,26.52 33.96,19.47 31.88,17.39 31.88,8.52 33.51,6.89 33.51,2.82 34.55,1.78 40.57,1.78 40.96,2.17 40.96,36.34 40.39,36.91 31.9,36.91
GND on BOTTOM: 32.01,37.57 40.31,37.57 41.01,36.87 41.01,1.98 40.34,1.31 35.91,1.31 35.66,1.56 35.66,4.34 35.25,4.75 32.79,4.75 31.71,5.83 31.71,11.42 31.71,11.42 31.71,12.64 31.82,12.75 35.86,12.75 35.86,16.68 35.54,17 32.42,17 32.24,17.18 32.24,19.76 25.78,19.76 21.11,15.09 15.01,15.09 14.61,14.69 14.61,13.59 14.01,12.99 13.31,12.99 13.08,13.22 13.08,14.29 12.68,14.69 12.24,14.69 12.01,14.92 12.01,15.99 10.31,17.69 3.91,17.69 3.14,18.47 1.35,18.47 0.44,19.38 0.44,20.51 0.91,20.98 2.11,20.98 2.11,22.83 1.78,23.16 0.96,23.16 0.26,23.86 0.26,27.21 0.71,27.66 2.11,27.66 2.11,30.66 2.35,30.9 7.44,30.9 7.74,30.61 7.74,27.96 7.74,27.96 7.74,26.98 7.45,26.69 4.34,26.69 4.16,26.51 4.16,22.76 6.32,20.6 10.7,20.6 10.91,20.39 10.91,19.3 11.53,18.67 13.11,18.67 15.1,16.68 18.21,16.68 20.76,19.23 20.76,20.97 21.45,21.66 24.1,21.66 24.38,21.38 33.41,21.38 33.41,23.49 33.51,23.59 34.81,23.59 35.01,23.79 35.01,25.69 34.01,26.69 31.91,26.69 31.36,27.24 31.36,28.75 31.01,29.09 31.01,30.19 31.51,30.68 31.51,31.7 31.41,31.79 28.41,31.79 28.21,31.99 28.21,33.75 28.42,33.96 31.16,33.96 31.71,34.51 31.71,37.28
GND on BOTTOM: 15.91,19.89 15.61,19.59 14.81,19.59 13.71,20.69 13.71,29.59 13.18,30.12 13.18,31.07 15.11,33 16.7,33 18.51,31.19 18.51,30.59 18.11,30.19 16.31,30.19 15.91,29.79
GND on BOTTOM: 25.4,10.91 25.01,10.52 21.63,10.52 21.01,11.14 21.01,13.25 22.63,14.87 24.95,14.87 25.4,14.42
USB_SHIELD on BOTTOM: 0.71,17.59 0.71,8.29 1.21,7.79 4.71,7.79 5.21,8.29 5.21,9.89 4.41,10.69 2.91,10.69 2.61,10.99 2.61,14.19 3.11,14.69 10.51,14.69 10.91,15.09 10.91,16.29 10.41,16.79 3.31,16.79 2.61,17.49 2.61,17.59
VIO on BOTTOM: 31.83,19.17 31.83,16.96 31.21,16.34 31.21,15.68 31.15,15.62 30.89,15.62 30.05,16.46 30.05,18.98 30.37,19.3 31.7,19.3
VIO_P on TOP: 8.71,10.69 8.61,10.59 8.61,9.03 8.73,8.91 11.9,8.91 12.11,9.12 12.11,9.59 12.11,9.59 12.11,10.49 11.91,10.69
VIO_P on BOTTOM: 10.71,11.29 10.71,9.99 10.9,9.8 12.02,9.8 12.31,10.09 13.51,10.09 13.91,10.49 13.91,11.49 13.71,11.69 11.11,11.69
VMODEM on BOTTOM: 30.5,11.47 30.5,11.47 30.5,13.06 30.67,13.23 30.72,13.23 30.72,14.11 30.64,14.19 29.53,14.19 29.53,14.33 29.24,14.62 27.43,14.62 27.33,14.72 27.33,15.68 27.39,15.74 27.85,15.74 28.11,16 28.11,16.91 27.87,17.15 26.87,17.15 26.18,16.46 26.18,8.35 26.24,8.29 16.27,8.29 16.06,8.5 16.06,9.89 13.32,9.89 13.13,9.7 13.13,5.37 13.37,5.13 27.8,5.13 30.5,7.83
VMODEM_P on TOP: 9.2,28.17 9.2,27.01 9.28,26.93 10.96,26.93 10.96,26.69 11.15,26.5 12.03,26.5 12.83,27.3 12.83,27.76 12.09,28.5 9.53,28.5
VMODEM_P on BOTTOM: 12.61,27.89 12.61,25.19 9.61,25.19 9.41,25.39 9.41,29.02 10.28,29.89 12.81,29.89 12.91,29.79 12.91,28.19
VUSB on BOTTOM: 10.71,6.09 10.72,6.08 10.72,4.79 10.76,4.75 10.78,4.76 31.59,4.76 31.88,4.47 31.88,1.5 31.44,1.06 29.04,1.06 29.04,2.95 28.18,3.81 7.82,3.81 7.51,4.12 7.51,5.58 7.2,5.89 6.81,5.89 5.51,7.19 5.51,10.79 5.61,10.89 6.31,10.89 6.81,10.39 7.61,10.39 7.61,12.79 7.71,12.89 8.81,12.89 9.11,12.59 9.11,10.59 9.31,10.39 10.41,10.39 10.71,10.09
N17123133 on BOTTOM: 35.45,14.28 35.45,13.39 35.13,13.07 31.96,13.07 31.03,14 31.03,14.23 31.15,14.35 33.07,14.35 33.28,14.56 35.17,14.56
N17123145 on BOTTOM: 35.41,16.46 35.41,15.53 35.16,15.28 32.15,15.28 31.91,15.52 31.39,15.52 31.39,16 32.25,16.86 35.01,16.86

## Text on the board
BOTTOM: 20231252_V1
Ref Des/Silkscreen Bottom: ACT. | PASS. | GND | SDA | SCL | ATTN | VCONN | GPS ANT. | USB | ESLOV
Ref Des/Silkscreen Top: VMOD. | RX | TX | SDA | SCL | ATTN | RST | EN | VCONN | GND | AUX1 | AUX2 | AUX3 | AUX4 | AUXEN | AUXRX | AUXTX | VUSB | VIO | NOTECARRIER-R | V1.1
XSECTION_CHART: *  SURFACE - AIR 0 MM | L1 TOP CONDUCTOR - COPPER 0.018 MM | *  DIELECTRIC - FR-4 1.514 MM | L2 BOTTOM CONDUCTOR - COPPER 0.018 MM | DESIGN CROSS SECTION CHART | ___________________________ | TOTAL THICKNESS 1.55 MM | 1-2
User.16: FIGURE | FINISHED SIZE | 0.3 | 1.0 | 3.7 | 1.1 | 1.6 | 3.3 | ALL UNITS ARE IN MILLIMETERS | TOLERANCE | +0.075/-0.075 | +0.0/-0.0 | +0.05/-0.05 | +0.1/-0.1 | TYPE | PLATED | NON-PLATED | QTY | 82 | 20 | 1 | 4 | DRILL CHART: TOP to BOTTOM
User.18: TP21 | TP16 | TP23 | TP13 | TP11 | TP22 | TP24 | TP18 | TP15 | TP14 | TP17 | TP25 | TP8 | TP26 | TP10 | TP39 | TP20 | TP38 | TP9 | TP12 | TP19 | TP28 | TP1 | TP29 | TP2 | TP3 | TP30 | TP31 | TP7 | TP4 | TP32 | TP5 | TP33 | TP6 | TP34 | TP35
User.31: NOTES: | 2) Scale 1:1 | 1) All Dimensions are in millimeters
